# Altium PCB FX_HT32.PcbDoc (part 2 of 3) (continued)
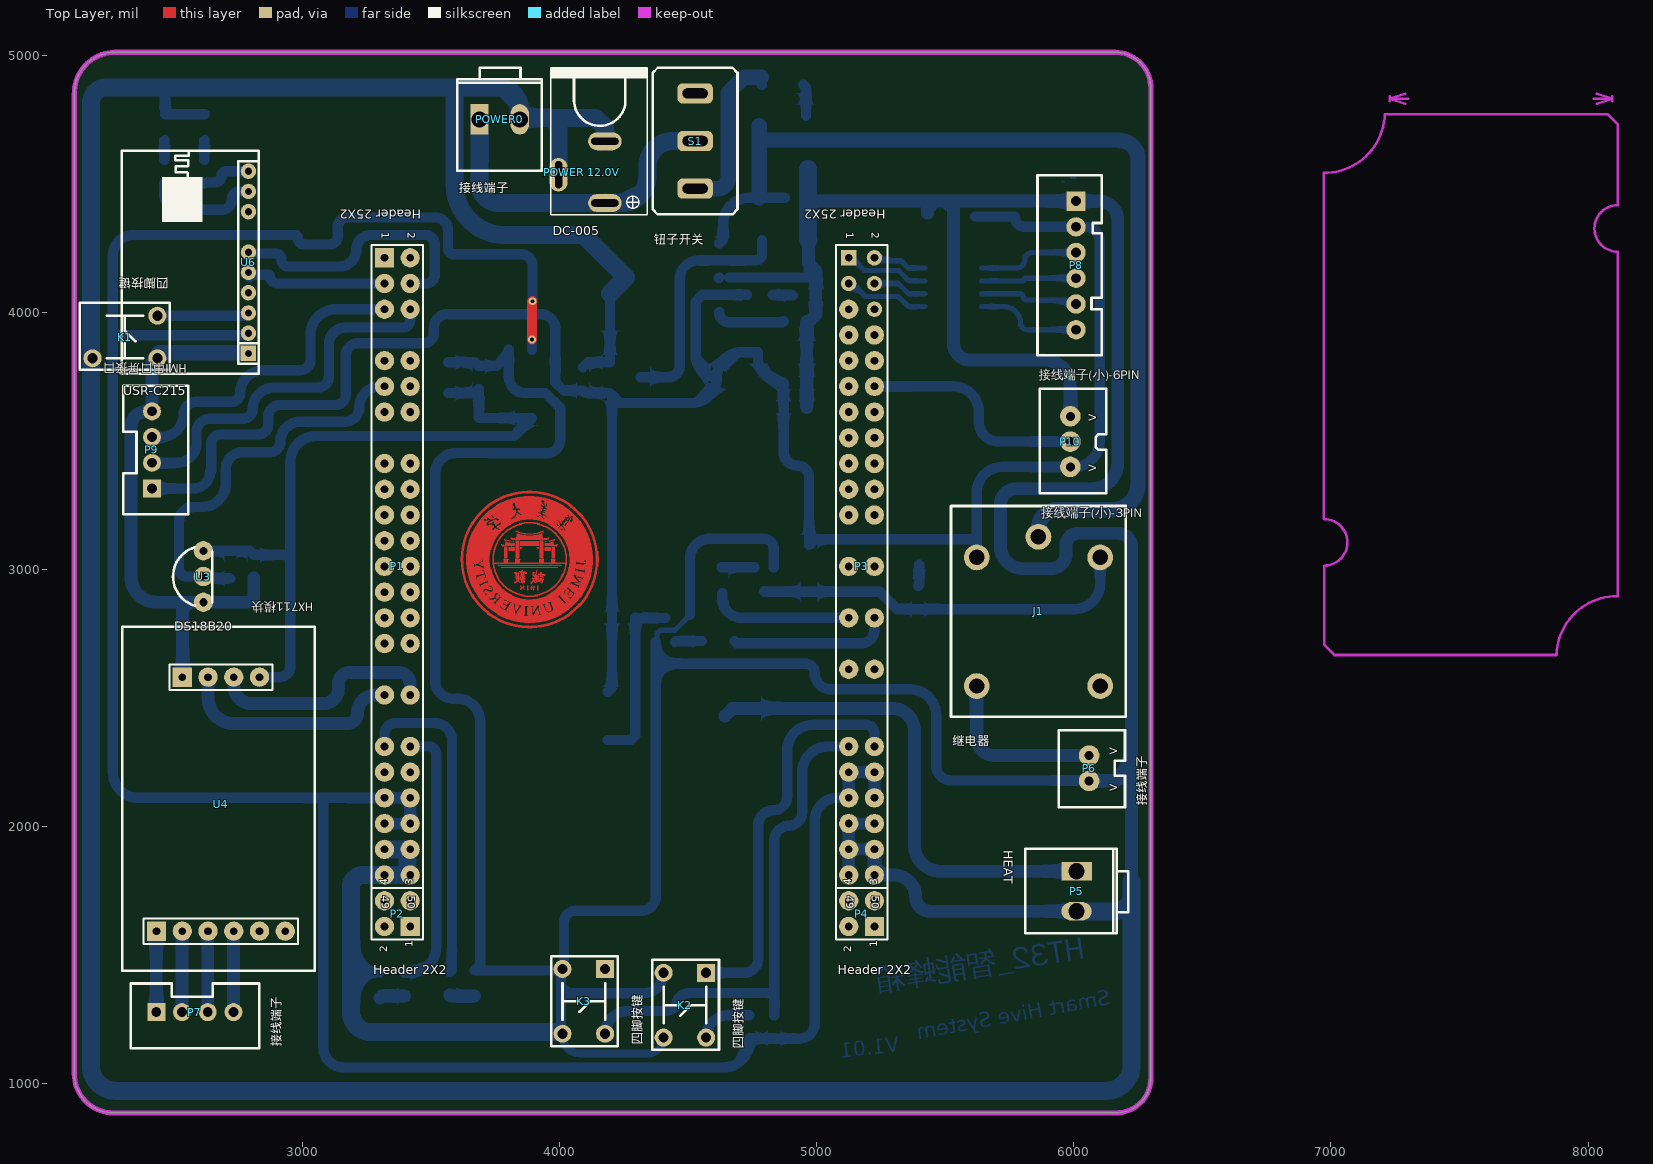
[diagram p0: Top Layer view]
## Nets (pads, with @x,y where several pads share a name; then routed paths per layer and width w, separated by ;. In a path a pad name is that pad's centre, name@x,y a point inside that pad or via, vN(x,y) a via of type N, cw(c..) or ccw(c..) an arc to the next point about the centre after c; other vN are vias at no path point) (continued)
; 3744.28,3206.9 3820.28,3206.9 ; 3744.28,3266.9 3760.28,3266.9 ; 3746.28,2836.9 3826.28,2836.9 ; 3746.28,2878.9 3750.28,2878.9 ; 3746.28,2884.9 3754.28,2884.9 ; 3746.28,2994.9 3752.28,2994.9 ; 3746.28,2996.9 3750.28,2996.9 ; 3746.28,2998.9 3750.28,2998.9 ; 3746.28,3000.9 3750.28,3000.9 ; 3746.28,3080.9 3750.28,3080.9 ; 3746.28,3082.9 3750.28,3082.9 ; 3746.28,3084.9 3752.28,3084.9 ; 3746.28,3156.9 3758.28,3156.9 ; 3746.28,3178.9 3762.28,3178.9 ; 3746.28,3180.9 3764.28,3180.9 ; 3746.28,3186.9 3764.28,3186.9 ; 3746.28,3200.9 3750.28,3200.9 ; 3746.28,3202.9 3814.28,3202.9 ; 3746.28,3204.9 3818.28,3204.9 ; 3746.28,3242.9 3822.28,3242.9 ; 3746.28,3268.9 3756.28,3268.9 ; 3748.28,2810.9 3762.28,2810.9 ; 3748.28,2988.9 3754.28,2988.9 ; 3748.28,2990.9 3752.28,2990.9 ; 3748.28,2992.9 3752.28,2992.9 ; 3748.28,3086.9 3752.28,3086.9 ; 3748.28,3088.9 3752.28,3088.9 ; 3748.28,3090.9 3754.28,3090.9 ; 3748.28,3152.9 3772.28,3152.9 ; 3748.28,3158.9 3754.28,3158.9 ; 3748.28,3160.9 3752.28,3160.9 ; 3748.28,3182.9 3766.28,3182.9 ; 3748.28,3184.9 3828.28,3184.9 ; 3748.28,3190.9 3756.28,3190.9 ; 3748.28,3192.9 3754.28,3192.9 ; 3748.28,3244.9 3820.28,3244.9 ; 3750.28,2832.9 3826.28,2832.9 ; 3750.28,2834.9 3820.28,2834.9 ; 3750.28,2984.9 3756.28,2984.9 ; 3750.28,2986.9 3754.28,2986.9 ; 3750.28,3092.9 3754.28,3092.9 ; 3750.28,3094.9 3754.28,3094.9 ; 3750.28,3174.9 3756.28,3174.9 ; 3750.28,3176.9 3758.28,3176.9 ; 3750.28,3210.9 3824.28,3210.9 ; 3750.28,3230.9 3830.28,3230.9 ; 3750.28,3270.9 3766.28,3270.9 ; 3752.28,2808.9 3766.28,2808.9 ; 3752.28,2868.9 3754.28,2868.9 ; 3752.28,2870.9 3782.28,2870.9 ; 3752.28,2892.9 3762.28,2892.9 ; 3752.28,2894.9 3758.28,2894.9 ; 3752.28,2896.9 3766.28,2896.9 ; 3752.28,2898.9 3766.28,2898.9 ; 3752.28,2980.9 3756.28,2980.9 ; 3752.28,2982.9 3756.28,2982.9 ; 3752.28,3096.9 3756.28,3096.9 ; 3752.28,3098.9 3756.28,3098.9 ; 3752.28,3188.9 3760.28,3188.9 ; 3752.28,3246.9 3820.28,3246.9 ; 3754.28,2806.9 3770.28,2806.9 ; 3754.28,2830.9 3760.28,2830.9 ; 3754.28,2864.9 3780.28,2864.9 ; 3754.28,2866.9 3780.28,2866.9 ; 3754.28,2872.9 3784.28,2872.9 ; 3754.28,2890.9 3762.28,2890.9 ; 3754.28,2974.9 3760.28,2974.9 ; 3754.28,2976.9 3758.28,2976.9 ; 3754.28,2978.9 3758.28,2978.9 ; 3754.28,3100.9 3758.28,3100.9 ; 3754.28,3102.9 3758.28,3102.9 ; 3754.28,3248.9 3818.28,3248.9 ; 3754.28,3272.9 3770.28,3272.9 ; 3756.28,2868.9 3782.28,2868.9 ; 3756.28,2874.9 3780.28,2874.9 ; 3756.28,2888.9 3758.28,2888.9 ; 3756.28,2900.9 3764.28,2900.9 ; 3756.28,2970.9 3762.28,2970.9 ; 3756.28,2972.9 3760.28,2972.9 ; 3756.28,3104.9 3760.28,3104.9 ; 3756.28,3106.9 3760.28,3106.9 ; 3756.28,3144.9 3770.28,3144.9 ; 3756.28,3154.9 3762.28,3154.9 ; 3756.28,3166.9 3794.28,3166.9 ; 3756.28,3200.9 3814.28,3200.9 ; 3758.28,2804.9 3774.28,2804.9 ; 3758.28,2828.9 3828.28,2828.9 ; 3758.28,2876.9 3782.28,2876.9 ; 3758.28,2908.9 3800.28,2908.9 ; 3758.28,2968.9 3764.28,2968.9 ; 3758.28,3108.9 3762.28,3108.9 ; 3758.28,3110.9 3762.28,3110.9 ; 3758.28,3164.9 3792.28,3164.9 ; 3758.28,3168.9 3762.28,3168.9 ; 3758.28,3250.9 3816.28,3250.9 ; 3758.28,3268.9 3764.28,3268.9 ; 3758.28,3274.9 3776.28,3274.9 ; 3760.28,2878.9 3764.28,2878.9 ; 3760.28,2894.9 3764.28,2894.9 ; 3760.28,2964.9 3766.28,2964.9 ; 3760.28,2966.9 3764.28,2966.9 ; 3760.28,3016.9 4008.28,3016.9 ; 3760.28,3112.9 3764.28,3112.9 ; 3760.28,3114.9 3766.28,3114.9 ; 3760.28,3162.9 3768.28,3162.9 ; 3760.28,3198.9 3810.28,3198.9 ; 3760.28,3252.9 3816.28,3252.9 ; 3762.28,2802.9 3780.28,2802.9 ; 3762.28,2826.9 3828.28,2826.9 ; 3762.28,2830.9 3828.28,2830.9 ; 3762.28,2880.9 3784.28,2880.9 ; 3762.28,2906.9 3802.28,2906.9 ; 3762.28,2960.9 3768.28,2960.9 ; 3762.28,2962.9 3766.28,2962.9 ; 3762.28,3116.9 3766.28,3116.9 ; 3762.28,3170.9 3766.28,3170.9 ; 3762.28,3188.9 3840.28,3188.9 ; 3762.28,3276.9 3780.28,3276.9 ; 3764.28,2824.9 3864.28,2824.9 ; 3764.28,2882.9 3786.28,2882.9 ; 3764.28,2904.9 3806.28,2904.9 ; 3764.28,2958.9 3770.28,2958.9 ; 3764.28,3118.9 3768.28,3118.9 ; 3764.28,3120.9 3770.28,3120.9 ; 3764.28,3160.9 3766.28,3160.9 ; 3764.28,3168.9 3798.28,3168.9 ; 3764.28,3190.9 3846.28,3190.9 ; 3764.28,3196.9 3810.28,3196.9 ; 3764.28,3254.9 3818.28,3254.9 ; 3766.28,2800.9 3784.28,2800.9 ; 3766.28,2878.9 3784.28,2878.9 ; 3766.28,2884.9 3786.28,2884.9 ; 3766.28,2902.9 3810.28,2902.9 ; 3766.28,2956.9 3770.28,2956.9 ; 3766.28,3122.9 3772.28,3122.9 ; 3766.28,3150.9 3774.28,3150.9 ; 3766.28,3172.9 3802.28,3172.9 ; 3766.28,3186.9 3816.28,3186.9 ; 3766.28,3192.9 3854.28,3192.9 ; 3766.28,3194.9 3868.28,3194.9 ; 3766.28,3278.9 3784.28,3278.9 ; 3768.28,2798.9 3790.28,2798.9 ; 3768.28,2822.9 3860.28,2822.9 ; 3768.28,2886.9 3854.28,2886.9 ; 3768.28,2888.9 3846.28,2888.9 ; 3768.28,2952.9 3770.28,2952.9 ; 3768.28,2954.9 3772.28,2954.9 ; 3768.28,3124.9 3772.28,3124.9 ; 3768.28,3126.9 3774.28,3126.9 ; 3768.28,3154.9 3780.28,3154.9 ; 3768.28,3170.9 3792.28,3170.9 ; 3768.28,3256.9 3818.28,3256.9 ; 3770.28,2898.9 3782.28,2898.9 ; 3770.28,2900.9 3814.28,2900.9 ; 3770.28,2950.9 3776.28,2950.9 ; 3770.28,3128.9 3776.28,3128.9 ; 3770.28,3156.9 3782.28,3156.9 ; 3770.28,3160.9 3786.28,3160.9 ; 3770.28,3174.9 3806.28,3174.9 ; 3770.28,3280.9 3788.28,3280.9 ; 3772.28,2820.9 3862.28,2820.9 ; 3772.28,2890.9 3774.28,2890.9 ; 3772.28,2896.9 3780.28,2896.9 ; 3772.28,2948.9 3778.28,2948.9 ; 3772.28,2952.9 3774.28,2952.9 ; 3772.28,3130.9 3778.28,3130.9 ; 3772.28,3158.9 3784.28,3158.9 ; 3772.28,3162.9 3788.28,3162.9 ; 3772.28,3176.9 3786.28,3176.9 ; 3772.28,3258.9 3820.28,3258.9 ; 3772.28,3282.9 3794.28,3282.9 ; 3774.28,2796.9 3794.28,2796.9 ; 3774.28,2854.9 3782.28,2854.9 ; 3774.28,2856.9 3794.28,2856.9 ; 3774.28,2858.9 3794.28,2858.9 ; 3774.28,2860.9 3778.28,2860.9 ; 3774.28,2894.9 3826.28,2894.9 ; 3774.28,2946.9 3780.28,2946.9 ; 3774.28,3008.9 3994.28,3008.9 ; 3774.28,3098.9 3776.28,3098.9 ; 3774.28,3132.9 3780.28,3132.9 ; 3774.28,3134.9 3782.28,3134.9 ; 3774.28,3152.9 3778.28,3152.9 ; 3774.28,3178.9 3814.28,3178.9 ; 3774.28,3180.9 3818.28,3180.9 ; 3774.28,3182.9 3822.28,3182.9 ; 3776.28,2818.9 3992.28,2818.9 ; 3776.28,2942.9 3784.28,2942.9 ; 3776.28,2944.9 3782.28,2944.9 ; 3776.28,3094.9 3826.28,3094.9 ; 3776.28,3096.9 3784.28,3096.9 ; 3776.28,3136.9 3782.28,3136.9 ; 3776.28,3260.9 3822.28,3260.9 ; 3778.28,2794.9 3800.28,2794.9 ; 3778.28,2852.9 3792.28,2852.9 ; 3778.28,2890.9 3840.28,2890.9 ; 3778.28,2892.9 3832.28,2892.9 ; 3778.28,3092.9 3780.28,3092.9 ; 3778.28,3138.9 3784.28,3138.9 ; 3778.28,3284.9 3800.28,3284.9 ; 3780.28,2816.9 3988.28,2816.9 ; 3780.28,2850.9 3790.28,2850.9 ; 3780.28,2860.9 3790.28,2860.9 ; 3780.28,2938.9 3786.28,2938.9 ; 3780.28,2940.9 3784.28,2940.9 ; 3780.28,3090.9 3782.28,3090.9 ; 3780.28,3140.9 3786.28,3140.9 ; 3782.28,2862.9 3786.28,2862.9 ; 3782.28,2874.9 3800.28,2874.9 ; 3782.28,2896.9 3822.28,2896.9 ; 3782.28,2936.9 3790.28,2936.9 ; 3782.28,3262.9 3928.28,3262.9 ; 3782.28,3286.9 3806.28,3286.9 ; 3784.28,2792.9 3806.28,2792.9 ; 3784.28,2814.9 3912.28,2814.9 ; 3784.28,2848.9 3790.28,2848.9 ; 3784.28,2854.9 3792.28,2854.9 ; 3784.28,2898.9 3818.28,2898.9 ; 3784.28,2934.9 3792.28,2934.9 ; 3784.28,3028.9 3800.28,3028.9 ; 3784.28,3030.9 3800.28,3030.9 ; 3784.28,3036.9 3800.28,3036.9 ; 3784.28,3038.9 3802.28,3038.9 ; 3784.28,3142.9 3788.28,3142.9 ; 3786.28,2870.9 3802.28,2870.9 ; 3786.28,2872.9 3802.28,2872.9 ; 3786.28,2876.9 3796.28,2876.9 ; 3786.28,3032.9 3800.28,3032.9 ; 3786.28,3034.9 3800.28,3034.9 ; 3786.28,3044.9 3798.28,3044.9 ; 3786.28,3046.9 3798.28,3046.9 ; 3786.28,3048.9 3798.28,3048.9 ; 3786.28,3050.9 3798.28,3050.9 ; 3786.28,3052.9 3798.28,3052.9 ; 3786.28,3054.9 3798.28,3054.9 ; 3786.28,3056.9 3798.28,3056.9 ; 3786.28,3058.9 3798.28,3058.9 ; 3786.28,3060.9 3798.28,3060.9 ; 3786.28,3062.9 3798.28,3062.9 ; 3786.28,3064.9 3798.28,3064.9 ; 3786.28,3066.9 3798.28,3066.9 ; 3786.28,3068.9 3798.28,3068.9 ; 3786.28,3070.9 3798.28,3070.9 ; 3786.28,3072.9 3798.28,3072.9 ; 3786.28,3074.9 3798.28,3074.9 ; 3786.28,3076.9 3798.28,3076.9 ; 3786.28,3078.9 3798.28,3078.9 ; 3786.28,3080.9 3798.28,3080.9 ; 3786.28,3082.9 3798.28,3082.9 ; 3786.28,3084.9 3798.28,3084.9 ; 3786.28,3086.9 3798.28,3086.9 ; 3786.28,3088.9 3798.28,3088.9 ; 3786.28,3116.9 3790.28,3116.9 ; 3786.28,3144.9 3790.28,3144.9 ; 3786.28,3264.9 3930.28,3264.9 ; 3788.28,2790.9 3812.28,2790.9 ; 3788.28,2868.9 3800.28,2868.9 ; 3788.28,2878.9 3792.28,2878.9 ; 3788.28,2914.9 3792.28,2914.9 ; 3788.28,2932.9 3794.28,2932.9 ; 3788.28,3112.9 3790.28,3112.9 ; 3788.28,3114.9 3790.28,3114.9 ; 3788.28,3146.9 3792.28,3146.9 ; 3788.28,3176.9 3810.28,3176.9 ; 3788.28,3288.9 3814.28,3288.9 ; 3790.28,2812.9 3978.28,2812.9 ; 3790.28,2866.9 3798.28,2866.9 ; 3790.28,2884.9 3870.28,2884.9 ; 3790.28,2930.9 3796.28,2930.9 ; 3790.28,3096.9 3826.28,3096.9 ; 3790.28,3098.9 3826.28,3098.9 ; 3790.28,3100.9 3826.28,3100.9 ; 3790.28,3102.9 3826.28,3102.9 ; 3790.28,3148.9 3796.28,3148.9 ; 3790.28,3266.9 3930.28,3266.9 ; 3792.28,2788.9 3820.28,2788.9 ; 3792.28,2910.9 3796.28,2910.9 ; 3792.28,2928.9 3798.28,2928.9 ; 3792.28,3104.9 3808.28,3104.9 ; 3792.28,3106.9 3800.28,3106.9 ; 3792.28,3108.9 3794.28,3108.9 ; 3792.28,3114.9 3796.28,3114.9 ; 3792.28,3150.9 3800.28,3150.9 ; 3794.28,2810.9 3974.28,2810.9 ; 3794.28,2864.9 3798.28,2864.9 ; 3794.28,2882.9 3996.28,2882.9 ; 3794.28,2926.9 3796.28,2926.9 ; 3794.28,3152.9 3800.28,3152.9 ; 3794.28,3170.9 3800.28,3170.9 ; 3794.28,3290.9 3820.28,3290.9 ; 3796.28,2842.9 3824.28,2842.9 ; 3796.28,2844.9 3824.28,2844.9 ; 3796.28,2924.9 3804.28,2924.9 ; 3796.28,3154.9 3804.28,3154.9 ; 3796.28,3268.9 3932.28,3268.9 ; 3798.28,2786.9 3814.28,2786.9 ; 3798.28,2838.9 3826.28,2838.9 ; 3798.28,2840.9 3826.28,2840.9 ; 3798.28,2846.9 3824.28,2846.9 ; 3798.28,2848.9 3824.28,2848.9 ; 3798.28,2880.9 4008.28,2880.9 ; 3798.28,2926.9 3800.28,2926.9 ; 3798.28,3112.9 3802.28,3112.9 ; 3800.28,2808.9 3968.28,2808.9 ; 3800.28,2850.9 3824.28,2850.9 ; 3800.28,2852.9 3824.28,2852.9 ; 3800.28,2878.9 4000.28,2878.9 ; 3800.28,2922.9 3806.28,2922.9 ; 3800.28,3156.9 3808.28,3156.9 ; 3800.28,3270.9 3934.28,3270.9 ; 3800.28,3292.9 3828.28,3292.9 ; 3802.28,2854.9 3822.28,2854.9 ; 3802.28,2856.9 3822.28,2856.9 ; 3802.28,2920.9 3810.28,2920.9 ; 3802.28,3074.9 3826.28,3074.9 ; 3802.28,3076.9 3826.28,3076.9 ; 3802.28,3078.9 3826.28,3078.9 ; 3802.28,3080.9 3826.28,3080.9 ; 3802.28,3082.9 3826.28,3082.9 ; 3802.28,3084.9 3826.28,3084.9 ; 3802.28,3086.9 3826.28,3086.9 ; 3802.28,3158.9 3810.28,3158.9 ; 3804.28,2784.9 3838.28,2784.9 ; 3804.28,2858.9 3822.28,2858.9 ; 3804.28,2860.9 3822.28,2860.9 ; 3804.28,2918.9 3814.28,2918.9 ; 3804.28,3110.9 3810.28,3110.9 ; 3806.28,2806.9 3962.28,2806.9 ; 3806.28,2862.9 3822.28,2862.9 ; 3806.28,2876.9 3966.28,2876.9 ; 3806.28,3160.9 3814.28,3160.9 ; 3806.28,3272.9 3962.28,3272.9 ; 3806.28,3294.9 3838.28,3294.9 ; 3808.28,2864.9 3822.28,2864.9 ; 3808.28,2866.9 3818.28,2866.9 ; 3808.28,2916.9 3812.28,2916.9 ; 3808.28,3162.9 3816.28,3162.9 ; 3810.28,2782.9 3852.28,2782.9 ; 3810.28,2868.9 3812.28,2868.9 ; 3810.28,2874.9 3960.28,2874.9 ; 3810.28,3120.9 3828.28,3120.9 ; 3810.28,3122.9 3814.28,3122.9 ; 3812.28,2804.9 3956.28,2804.9 ; 3812.28,2914.9 3820.28,2914.9 ; 3812.28,3092.9 3814.28,3092.9 ; 3812.28,3118.9 3828.28,3118.9 ; 3812.28,3164.9 3820.28,3164.9 ; 3812.28,3274.9 3956.28,3274.9 ; 3812.28,3296.9 3852.28,3296.9 ; 3814.28,2868.9 3820.28,2868.9 ; 3814.28,2872.9 3954.28,2872.9 ; 3814.28,2916.9 3816.28,2916.9 ; 3814.28,3108.9 3816.28,3108.9 ; 3816.28,2786.9 3828.28,2786.9 ; 3816.28,2870.9 3954.28,2870.9 ; 3816.28,2912.9 3826.28,2912.9 ; 3816.28,3116.9 3952.28,3116.9 ; 3816.28,3166.9 3826.28,3166.9 ; 3818.28,2802.9 3950.28,2802.9 ; 3818.28,2910.9 3830.28,2910.9 ; 3818.28,3168.9 3830.28,3168.9 ; 3818.28,3186.9 3834.28,3186.9 ; 3818.28,3196.9 3936.28,3196.9 ; 3820.28,2780.9 3880.28,2780.9 ; 3820.28,3108.9 3822.28,3108.9 ; 3820.28,3276.9 3948.28,3276.9 ; 3820.28,3298.9 3874.28,3298.9 ; 3822.28,2834.9 3826.28,2834.9 ; 3822.28,3170.9 3834.28,3170.9 ; 3822.28,3198.9 3936.28,3198.9 ; 3822.28,3212.9 3826.28,3212.9 ; 3824.28,2868.9 3836.28,2868.9 ; 3824.28,2908.9 3834.28,2908.9 ; 3824.28,2948.9 3828.28,2948.9 ; 3824.28,2950.9 3830.28,2950.9 ; 3824.28,2986.9 3842.28,2986.9 ; 3824.28,2988.9 3832.28,2988.9 ; 3824.28,3200.9 3828.28,3200.9 ; 3826.28,2800.9 3944.28,2800.9 ; 3826.28,2860.9 3842.28,2860.9 ; 3826.28,2862.9 3834.28,2862.9 ; 3826.28,2952.9 3834.28,2952.9 ; 3826.28,2970.9 3834.28,2970.9 ; 3826.28,2984.9 3838.28,2984.9 ; 3826.28,3122.9 3828.28,3122.9 ; 3826.28,3260.9 3932.28,3260.9 ; 3828.28,2778.9 3940.28,2778.9 ; 3828.28,2846.9 3836.28,2846.9 ; 3828.28,2848.9 3838.28,2848.9 ; 3828.28,2850.9 3838.28,2850.9 ; 3828.28,2852.9 3840.28,2852.9 ; 3828.28,2854.9 3842.28,2854.9 ; 3828.28,2856.9 3842.28,2856.9 ; 3828.28,2858.9 3844.28,2858.9 ; 3828.28,2906.9 3838.28,2906.9 ; 3828.28,2982.9 3834.28,2982.9 ; 3828.28,3028.9 3846.28,3028.9 ; 3828.28,3030.9 3846.28,3030.9 ; 3828.28,3032.9 3846.28,3032.9 ; 3828.28,3034.9 3846.28,3034.9 ; 3828.28,3036.9 3846.28,3036.9 ; 3828.28,3038.9 3848.28,3038.9 ; 3828.28,3172.9 3840.28,3172.9 ; 3828.28,3202.9 3932.28,3202.9 ; 3828.28,3204.9 3914.28,3204.9 ; 3828.28,3250.9 3928.28,3250.9 ; 3828.28,3252.9 3930.28,3252.9 ; 3828.28,3254.9 3934.28,3254.9 ; 3828.28,3256.9 3934.28,3256.9 ; 3828.28,3258.9 3934.28,3258.9 ; 3828.28,3278.9 3944.28,3278.9 ; 3828.28,3300.9 3938.28,3300.9 ; 3830.28,2840.9 3832.28,2840.9 ; 3830.28,2842.9 3834.28,2842.9 ; 3830.28,2844.9 3834.28,2844.9 ; 3830.28,2866.9 3940.28,2866.9 ; 3830.28,2954.9 3836.28,2954.9 ; 3830.28,2968.9 3844.28,2968.9 ; 3830.28,2976.9 3842.28,2976.9 ; 3830.28,2978.9 3836.28,2978.9 ; 3830.28,2980.9 3836.28,2980.9 ; 3830.28,3044.9 3844.28,3044.9 ; 3830.28,3046.9 3836.28,3046.9 ; 3830.28,3048.9 3844.28,3048.9 ; 3830.28,3050.9 3844.28,3050.9 ; 3830.28,3052.9 3844.28,3052.9 ; 3830.28,3054.9 3844.28,3054.9 ; 3830.28,3056.9 3844.28,3056.9 ; 3830.28,3058.9 3844.28,3058.9 ; 3830.28,3060.9 3844.28,3060.9 ; 3830.28,3062.9 3844.28,3062.9 ; 3830.28,3064.9 3844.28,3064.9 ; 3830.28,3066.9 3844.28,3066.9 ; 3830.28,3068.9 3844.28,3068.9 ; 3830.28,3070.9 3844.28,3070.9 ; 3830.28,3072.9 3844.28,3072.9 ; 3830.28,3074.9 3844.28,3074.9 ; 3830.28,3076.9 3844.28,3076.9 ; 3830.28,3078.9 3844.28,3078.9 ; 3830.28,3080.9 3844.28,3080.9 ; 3830.28,3082.9 3844.28,3082.9 ; 3830.28,3084.9 3844.28,3084.9 ; 3830.28,3086.9 3844.28,3086.9 ; 3830.28,3088.9 3844.28,3088.9 ; 3830.28,3090.9 3844.28,3090.9 ; 3830.28,3092.9 3844.28,3092.9 ; 3830.28,3094.9 3844.28,3094.9 ; 3830.28,3096.9 3844.28,3096.9 ; 3830.28,3098.9 3844.28,3098.9 ; 3830.28,3100.9 3844.28,3100.9 ; 3830.28,3102.9 3844.28,3102.9 ; 3830.28,3104.9 3844.28,3104.9 ; 3830.28,3106.9 3844.28,3106.9 ; 3830.28,3108.9 3844.28,3108.9 ; 3830.28,3110.9 3844.28,3110.9 ; 3830.28,3148.9 3836.28,3148.9 ; 3830.28,3150.9 3832.28,3150.9 ; 3830.28,3200.9 3932.28,3200.9 ; 3830.28,3206.9 3912.28,3206.9 ; 3830.28,3244.9 3932.28,3244.9 ; 3830.28,3246.9 3930.28,3246.9 ; 3830.28,3248.9 3928.28,3248.9 ; 3832.28,2826.9 3866.28,2826.9 ; 3832.28,2828.9 3866.28,2828.9 ; 3832.28,2864.9 3934.28,2864.9 ; 3832.28,2904.9 3846.28,2904.9 ; 3832.28,2956.9 3842.28,2956.9 ; 3832.28,2962.9 3836.28,2962.9 ; 3832.28,2964.9 3836.28,2964.9 ; 3832.28,2966.9 3834.28,2966.9 ; 3832.28,3118.9 3936.28,3118.9 ; 3832.28,3120.9 3936.28,3120.9 ; 3832.28,3122.9 3934.28,3122.9 ; 3832.28,3124.9 3936.28,3124.9 ; 3832.28,3174.9 3846.28,3174.9 ; 3832.28,3208.9 3914.28,3208.9 ; 3832.28,3210.9 3918.28,3210.9 ; 3832.28,3242.9 3934.28,3242.9 ; 3834.28,2830.9 3866.28,2830.9 ; 3834.28,2958.9 3840.28,2958.9 ; 3834.28,2960.9 3842.28,2960.9 ; 3834.28,2974.9 3842.28,2974.9 ; 3834.28,3042.9 3838.28,3042.9 ; 3834.28,3126.9 3934.28,3126.9 ; 3834.28,3128.9 3928.28,3128.9 ; 3834.28,3130.9 3934.28,3130.9 ; 3834.28,3132.9 3870.28,3132.9 ; 3834.28,3134.9 3854.28,3134.9 ; 3834.28,3136.9 3846.28,3136.9 ; 3834.28,3138.9 3840.28,3138.9 ; 3834.28,3212.9 3846.28,3212.9 ; 3834.28,3214.9 3844.28,3214.9 ; 3834.28,3216.9 3842.28,3216.9 ; 3834.28,3218.9 3838.28,3218.9 ; 3834.28,3240.9 3930.28,3240.9 ; 3836.28,2798.9 3932.28,2798.9 ; 3836.28,2832.9 3866.28,2832.9 ; 3836.28,2834.9 3866.28,2834.9 ; 3836.28,2862.9 3842.28,2862.9 ; 3836.28,2970.9 3838.28,2970.9 ; 3836.28,3146.9 3842.28,3146.9 ; 3836.28,3280.9 3932.28,3280.9 ; 3838.28,2836.9 3866.28,2836.9 ; 3838.28,2868.9 3960.28,2868.9 ; 3838.28,2902.9 3854.28,2902.9 ; 3838.28,2966.9 3844.28,2966.9 ; 3838.28,2972.9 3842.28,2972.9 ; 3838.28,3046.9 3844.28,3046.9 ; 3838.28,3176.9 3854.28,3176.9 ; 3838.28,3228.9 3924.28,3228.9 ; 3838.28,3230.9 3840.28,3230.9 ; 3840.28,2776.9 3930.28,2776.9 ; 3840.28,2838.9 3866.28,2838.9 ; 3840.28,2954.9 3844.28,2954.9 ; 3840.28,2962.9 3842.28,2962.9 ; 3840.28,2970.9 3842.28,2970.9 ; 3840.28,2978.9 3842.28,2978.9 ; 3840.28,2980.9 3842.28,2980.9 ; 3840.28,2982.9 3842.28,2982.9 ; 3840.28,2984.9 3844.28,2984.9 ; 3840.28,3144.9 3848.28,3144.9 ; 3840.28,3226.9 3926.28,3226.9 ; 3840.28,3302.9 3928.28,3302.9 ; 3842.28,2840.9 3866.28,2840.9 ; 3842.28,2842.9 3866.28,2842.9 ; 3842.28,2952.9 3846.28,2952.9 ; 3842.28,3224.9 3916.28,3224.9 ; 3842.28,3230.9 3926.28,3230.9 ; 3844.28,2844.9 3866.28,2844.9 ; 3844.28,2900.9 3864.28,2900.9 ; 3844.28,2992.9 3858.28,2992.9 ; 3844.28,3178.9 3864.28,3178.9 ; 3844.28,3222.9 3916.28,3222.9 ; 3846.28,2846.9 3860.28,2846.9 ; 3846.28,2848.9 3866.28,2848.9 ; 3846.28,2862.9 3932.28,2862.9 ; 3846.28,2950.9 3848.28,2950.9 ; 3846.28,2960.9 3848.28,2960.9 ; 3846.28,2962.9 3850.28,2962.9 ; 3846.28,2968.9 3850.28,2968.9 ; 3846.28,2970.9 3850.28,2970.9 ; 3846.28,2972.9 3848.28,2972.9 ; 3846.28,2990.9 3870.28,2990.9 ; 3846.28,3142.9 3856.28,3142.9 ; 3846.28,3220.9 3918.28,3220.9 ; 3846.28,3232.9 3932.28,3232.9 ; 3846.28,3238.9 3928.28,3238.9 ; 3848.28,2796.9 3922.28,2796.9 ; 3848.28,2850.9 3866.28,2850.9 ; 3848.28,2922.9 3850.28,2922.9 ; 3848.28,2924.9 3852.28,2924.9 ; 3848.28,2926.9 3854.28,2926.9 ; 3848.28,2934.9 3850.28,2934.9 ; 3848.28,2964.9 3850.28,2964.9 ; 3848.28,2966.9 3850.28,2966.9 ; 3848.28,2978.9 3860.28,2978.9 ; 3848.28,2988.9 3872.28,2988.9 ; 3848.28,3082.9 3852.28,3082.9 ; 3848.28,3084.9 3852.28,3084.9 ; 3848.28,3086.9 3856.28,3086.9 ; 3848.28,3094.9 3920.28,3094.9 ; 3848.28,3096.9 3920.28,3096.9 ; 3848.28,3098.9 3920.28,3098.9 ; 3848.28,3100.9 3920.28,3100.9 ; 3848.28,3102.9 3920.28,3102.9 ; 3848.28,3104.9 3920.28,3104.9 ; 3848.28,3106.9 3920.28,3106.9 ; 3848.28,3108.9 3920.28,3108.9 ; 3848.28,3218.9 3922.28,3218.9 ; 3848.28,3234.9 3932.28,3234.9 ; 3848.28,3236.9 3928.28,3236.9 ; 3850.28,2852.9 3866.28,2852.9 ; 3850.28,2928.9 3862.28,2928.9 ; 3850.28,2936.9 3852.28,2936.9 ; 3850.28,2976.9 3862.28,2976.9 ; 3850.28,2984.9 3856.28,2984.9 ; 3850.28,2986.9 3854.28,2986.9 ; 3850.28,3282.9 3920.28,3282.9 ; 3852.28,2774.9 3912.28,2774.9 ; 3852.28,2854.9 3866.28,2854.9 ; 3852.28,2952.9 3856.28,2952.9 ; 3852.28,2956.9 3856.28,2956.9 ; 3852.28,2958.9 3858.28,2958.9 ; 3852.28,2960.9 3856.28,2960.9 ; 3852.28,2962.9 3854.28,2962.9 ; 3852.28,2964.9 3860.28,2964.9 ; 3852.28,2968.9 3864.28,2968.9 ; 3852.28,2974.9 3866.28,2974.9 ; 3852.28,2982.9 3856.28,2982.9 ; 3852.28,3216.9 3928.28,3216.9 ; 3854.28,2856.9 3864.28,2856.9 ; 3854.28,2898.9 3916.28,2898.9 ; 3854.28,2930.9 3862.28,2930.9 ; 3854.28,2948.9 3858.28,2948.9 ; 3854.28,2950.9 3860.28,2950.9 ; 3854.28,2954.9 3856.28,2954.9 ; 3854.28,2966.9 3858.28,2966.9 ; 3854.28,2972.9 3862.28,2972.9 ; 3854.28,2980.9 3858.28,2980.9 ; 3854.28,2994.9 3858.28,2994.9 ; 3854.28,2996.9 3858.28,2996.9 ; 3854.28,3140.9 3870.28,3140.9 ; 3854.28,3180.9 3916.28,3180.9 ; 3854.28,3214.9 3928.28,3214.9 ; 3854.28,3304.9 3914.28,3304.9 ; 3856.28,2860.9 3914.28,2860.9 ; 3856.28,2970.9 3862.28,2970.9 ; 3858.28,2858.9 3862.28,2858.9 ; 3858.28,2932.9 3864.28,2932.9 ; 3858.28,2956.9 3860.28,2956.9 ; 3858.28,2962.9 3860.28,2962.9 ; 3858.28,3212.9 3922.28,3212.9 ; 3860.28,2934.9 3864.28,2934.9 ; 3860.28,2936.9 3862.28,2936.9 ; 3860.28,2954.9 3862.28,2954.9 ; 3860.28,2960.9 3862.28,2960.9 ; 3860.28,2980.9 3864.28,2980.9 ; 3860.28,2984.9 3864.28,2984.9 ; 3860.28,2986.9 3872.28,2986.9 ; 3862.28,2846.9 3866.28,2846.9 ; 3862.28,2922.9 3864.28,2922.9 ; 3862.28,2924.9 3864.28,2924.9 ; 3862.28,2952.9 3864.28,2952.9 ; 3862.28,2958.9 3864.28,2958.9 ; 3862.28,2966.9 3866.28,2966.9 ; 3862.28,2982.9 3864.28,2982.9 ; 3864.28,2794.9 3904.28,2794.9 ; 3864.28,2896.9 3904.28,2896.9 ; 3864.28,2950.9 3866.28,2950.9 ; 3864.28,2956.9 3866.28,2956.9 ; 3864.28,2964.9 3868.28,2964.9 ; 3864.28,2972.9 3868.28,2972.9 ; 3864.28,3138.9 3904.28,3138.9 ; 3864.28,3182.9 3904.28,3182.9 ; 3864.28,3284.9 3902.28,3284.9 ; 3866.28,2954.9 3868.28,2954.9 ; 3866.28,2962.9 3868.28,2962.9 ; 3868.28,2984.9 3872.28,2984.9 ; 3874.28,2824.9 3896.28,2824.9 ; 3874.28,2826.9 3894.28,2826.9 ; 3874.28,2828.9 3894.28,2828.9 ; 3874.28,2830.9 3894.28,2830.9 ; 3874.28,2832.9 3894.28,2832.9 ; 3874.28,2834.9 3894.28,2834.9 ; 3874.28,2836.9 3894.28,2836.9 ; 3874.28,2838.9 3894.28,2838.9 ; 3874.28,2840.9 3894.28,2840.9 ; 3874.28,2842.9 3894.28,2842.9 ; 3874.28,2844.9 3894.28,2844.9 ; 3874.28,2846.9 3892.28,2846.9 ; 3874.28,2848.9 3892.28,2848.9 ; 3874.28,2850.9 3886.28,2850.9 ; 3874.28,2920.9 3878.28,2920.9 ; 3874.28,2922.9 3878.28,2922.9 ; 3874.28,2924.9 3878.28,2924.9 ; 3874.28,2926.9 3878.28,2926.9 ; 3874.28,2928.9 3878.28,2928.9 ; 3874.28,2930.9 3878.28,2930.9 ; 3874.28,2932.9 3878.28,2932.9 ; 3874.28,2934.9 3878.28,2934.9 ; 3874.28,2936.9 3878.28,2936.9 ; 3874.28,3306.9 3892.28,3306.9 ; 3876.28,2772.9 3894.28,2772.9 ; 3876.28,2852.9 3882.28,2852.9 ; 3876.28,2854.9 3888.28,2854.9 ; 3876.28,3298.9 3948.28,3298.9 ; 3878.28,2820.9 3896.28,2820.9 ; 3878.28,2822.9 3896.28,2822.9 ; 3880.28,2856.9 3886.28,2856.9 ; 3880.28,2858.9 3890.28,2858.9 ; 3884.28,2852.9 3892.28,2852.9 ; 3888.28,2780.9 3948.28,2780.9 ; 3888.28,2850.9 3892.28,2850.9 ; 3888.28,2924.9 3892.28,2924.9 ; 3888.28,2926.9 3892.28,2926.9 ; 3888.28,2928.9 3892.28,2928.9 ; 3888.28,2930.9 3894.28,2930.9 ; 3888.28,2932.9 3892.28,2932.9 ; 3888.28,2946.9 3892.28,2946.9 ; 3888.28,2948.9 3892.28,2948.9 ; 3888.28,2950.9 3894.28,2950.9 ; 3888.28,2952.9 3896.28,2952.9 ; 3890.28,2922.9 3892.28,2922.9 ; 3890.28,2934.9 3892.28,2934.9 ; 3892.28,2936.9 3894.28,2936.9 ; 3894.28,2954.9 3898.28,2954.9 ; 3894.28,2956.9 3898.28,2956.9 ; 3894.28,2966.9 3898.28,2966.9 ; 3894.28,2968.9 3896.28,2968.9 ; 3896.28,2848.9 3908.28,2848.9 ; 3896.28,2852.9 3910.28,2852.9 ; 3896.28,2854.9 3910.28,2854.9 ; 3896.28,2884.9 4006.28,2884.9 ; 3896.28,2926.9 3898.28,2926.9 ; 3896.28,2958.9 3902.28,2958.9 ; 3896.28,2962.9 3900.28,2962.9 ; 3896.28,2964.9 3902.28,2964.9 ; 3896.28,2976.9 3914.28,2976.9 ; 3896.28,2978.9 3908.28,2978.9 ; 3896.28,2980.9 3900.28,2980.9 ; 3896.28,2984.9 3900.28,2984.9 ; 3896.28,2986.9 3902.28,2986.9 ; 3896.28,2988.9 3904.28,2988.9 ; 3898.28,2820.9 3996.28,2820.9 ; 3898.28,2836.9 3900.28,2836.9 ; 3898.28,2838.9 3900.28,2838.9 ; 3898.28,2840.9 3902.28,2840.9 ; 3898.28,2842.9 3904.28,2842.9 ; 3898.28,2844.9 3904.28,2844.9 ; 3898.28,2846.9 3906.28,2846.9 ; 3898.28,2850.9 3908.28,2850.9 ; 3898.28,2920.9 3900.28,2920.9 ; 3898.28,2922.9 3902.28,2922.9 ; 3898.28,2928.9 3902.28,2928.9 ; 3898.28,2960.9 3900.28,2960.9 ; 3898.28,2974.9 3914.28,2974.9 ; 3898.28,3194.9 3942.28,3194.9 ; 3900.28,2822.9 3908.28,2822.9 ; 3900.28,2856.9 3912.28,2856.9 ; 3900.28,2858.9 3912.28,2858.9 ; 3900.28,2930.9 3904.28,2930.9 ; 3900.28,2932.9 3904.28,2932.9 ; 3900.28,2934.9 3902.28,2934.9 ; 3900.28,2936.9 3902.28,2936.9 ; 3900.28,2956.9 3904.28,2956.9 ; 3900.28,2966.9 3920.28,2966.9 ; 3900.28,3132.9 3934.28,3132.9 ; 3902.28,2824.9 3916.28,2824.9 ; 3902.28,2826.9 3918.28,2826.9 ; 3902.28,2954.9 3904.28,2954.9 ; 3902.28,2968.9 3912.28,2968.9 ; 3902.28,2972.9 3920.28,2972.9 ; 3902.28,3140.9 3914.28,3140.9 ; 3902.28,3178.9 3924.28,3178.9 ; 3904.28,2828.9 3920.28,2828.9 ; 3904.28,2900.9 3924.28,2900.9 ; 3904.28,2950.9 3908.28,2950.9 ; 3904.28,2952.9 3906.28,2952.9 ; 3904.28,2970.9 3914.28,2970.9 ; 3906.28,2830.9 3920.28,2830.9 ; 3906.28,2832.9 3920.28,2832.9 ; 3906.28,2960.9 3910.28,2960.9 ; 3906.28,2962.9 3920.28,2962.9 ; 3906.28,2964.9 3920.28,2964.9 ; 3906.28,2980.9 3908.28,2980.9 ; 3908.28,2834.9 3920.28,2834.9 ; 3908.28,2836.9 3920.28,2836.9 ; 3908.28,2958.9 3912.28,2958.9 ; 3908.28,2982.9 3910.28,2982.9 ; 3908.28,2984.9 3910.28,2984.9 ; 3908.28,2986.9 3912.28,2986.9 ; 3910.28,2822.9 3916.28,2822.9 ; 3910.28,2838.9 3918.28,2838.9 ; 3910.28,2954.9 3916.28,2954.9 ; 3910.28,2956.9 3912.28,2956.9 ; 3910.28,2988.9 3912.28,2988.9 ; 3910.28,2990.9 3912.28,2990.9 ; 3910.28,2992.9 3912.28,2992.9 ; 3910.28,2994.9 3914.28,2994.9 ; 3912.28,2840.9 3918.28,2840.9 ; 3912.28,2842.9 3918.28,2842.9 ; 3912.28,2886.9 4004.28,2886.9 ; 3912.28,2952.9 3916.28,2952.9 ; 3912.28,2996.9 3914.28,2996.9 ; 3912.28,2998.9 3914.28,2998.9 ; 3912.28,3086.9 3920.28,3086.9 ; 3914.28,2814.9 3984.28,2814.9 ; 3914.28,2844.9 3918.28,2844.9 ; 3914.28,2920.9 3918.28,2920.9 ; 3914.28,2922.9 3918.28,2922.9 ; 3914.28,2924.9 3918.28,2924.9 ; 3914.28,2926.9 3916.28,2926.9 ; 3914.28,2928.9 3918.28,2928.9 ; 3914.28,2930.9 3918.28,2930.9 ; 3914.28,2932.9 3916.28,2932.9 ; 3914.28,2934.9 3918.28,2934.9 ; 3914.28,2936.9 3918.28,2936.9 ; 3914.28,2960.9 3916.28,2960.9 ; 3914.28,3134.9 3934.28,3134.9 ; 3914.28,3142.9 3922.28,3142.9 ; 3914.28,3176.9 3930.28,3176.9 ; 3914.28,3192.9 3992.28,3192.9 ; 3916.28,2846.9 3918.28,2846.9 ; 3916.28,2848.9 3918.28,2848.9 ; 3916.28,2902.9 3930.28,2902.9 ; 3916.28,2968.9 3920.28,2968.9 ; 3916.28,2970.9 3920.28,2970.9 ; 3916.28,2974.9 3920.28,2974.9 ; 3916.28,3082.9 3920.28,3082.9 ; 3916.28,3084.9 3920.28,3084.9 ; 3918.28,2782.9 3956.28,2782.9 ; 3918.28,2954.9 3922.28,2954.9 ; 3918.28,2956.9 3920.28,2956.9 ; 3918.28,2958.9 3920.28,2958.9 ; 3918.28,2980.9 3942.28,2980.9 ; 3918.28,3296.9 3956.28,3296.9 ; 3920.28,2822.9 4000.28,2822.9 ; 3920.28,2960.9 3932.28,2960.9 ; 3920.28,2982.9 3932.28,2982.9 ; 3920.28,3144.9 3928.28,3144.9 ; 3920.28,3204.9 3930.28,3204.9 ; 3922.28,2840.9 3946.28,2840.9 ; 3922.28,2842.9 3944.28,2842.9 ; 3922.28,2844.9 3944.28,2844.9 ; 3922.28,2846.9 3944.28,2846.9 ; 3922.28,2848.9 3942.28,2848.9 ; 3922.28,2850.9 3942.28,2850.9 ; 3922.28,2852.9 3940.28,2852.9 ; 3922.28,2854.9 3940.28,2854.9 ; 3922.28,2856.9 3940.28,2856.9 ; 3922.28,2858.9 3924.28,2858.9 ; 3922.28,2888.9 4002.28,2888.9 ; 3922.28,3028.9 3940.28,3028.9 ; 3922.28,3030.9 3940.28,3030.9 ; 3922.28,3032.9 3940.28,3032.9 ; 3922.28,3034.9 3940.28,3034.9 ; 3922.28,3036.9 3940.28,3036.9 ; 3922.28,3038.9 3940.28,3038.9 ; 3922.28,3136.9 3934.28,3136.9 ; 3922.28,3174.9 3936.28,3174.9 ; 3922.28,3206.9 3930.28,3206.9 ; 3922.28,3224.9 3930.28,3224.9 ; 3924.28,2828.9 4010.28,2828.9 ; 3924.28,2830.9 4014.28,2830.9 ; 3924.28,2832.9 3954.28,2832.9 ; 3924.28,2834.9 3950.28,2834.9 ; 3924.28,2836.9 3948.28,2836.9 ; 3924.28,2838.9 3948.28,2838.9 ; 3924.28,2904.9 3934.28,2904.9 ; 3924.28,2956.9 3928.28,2956.9 ; 3924.28,2958.9 3936.28,2958.9 ; 3924.28,2962.9 3926.28,2962.9 ; 3924.28,2966.9 3932.28,2966.9 ; 3924.28,2968.9 3926.28,2968.9 ; 3924.28,2972.9 3936.28,2972.9 ; 3924.28,2974.9 3926.28,2974.9 ; 3924.28,2978.9 3944.28,2978.9 ; 3924.28,3044.9 3938.28,3044.9 ; 3924.28,3046.9 3938.28,3046.9 ; 3924.28,3048.9 3938.28,3048.9 ; 3924.28,3050.9 3938.28,3050.9 ; 3924.28,3052.9 3938.28,3052.9 ; 3924.28,3054.9 3938.28,3054.9 ; 3924.28,3056.9 3938.28,3056.9 ; 3924.28,3058.9 3938.28,3058.9 ; 3924.28,3060.9 3938.28,3060.9 ; 3924.28,3062.9 3938.28,3062.9 ; 3924.28,3064.9 3938.28,3064.9 ; 3924.28,3066.9 3938.28,3066.9 ; 3924.28,3068.9 3938.28,3068.9 ; 3924.28,3070.9 3938.28,3070.9 ; 3924.28,3072.9 3938.28,3072.9 ; 3924.28,3074.9 3938.28,3074.9 ; 3924.28,3076.9 3938.28,3076.9 ; 3924.28,3078.9 3938.28,3078.9 ; 3924.28,3080.9 3938.28,3080.9 ; 3924.28,3082.9 3938.28,3082.9 ; 3924.28,3084.9 3938.28,3084.9 ; 3924.28,3086.9 3938.28,3086.9 ; 3924.28,3088.9 3938.28,3088.9 ; 3924.28,3090.9 3938.28,3090.9 ; 3924.28,3092.9 3938.28,3092.9 ; 3924.28,3094.9 3938.28,3094.9 ; 3924.28,3096.9 3938.28,3096.9 ; 3924.28,3098.9 3938.28,3098.9 ; 3924.28,3100.9 3938.28,3100.9 ; 3924.28,3102.9 3938.28,3102.9 ; 3924.28,3104.9 3938.28,3104.9 ; 3924.28,3106.9 3938.28,3106.9 ; 3924.28,3108.9 3938.28,3108.9 ; 3924.28,3110.9 3938.28,3110.9 ; 3924.28,3190.9 3992.28,3190.9 ; 3926.28,2858.9 3938.28,2858.9 ; 3926.28,2860.9 3938.28,2860.9